# Altium PCB STB_LightBoard.PcbDoc (part 25 of 31)
Units mm, origin at the board's own origin, x right, y up, seen from the top; angles counter-clockwise.
Board outline 348 x 348 mm, 2 copper layers (Top Layer, Bottom Layer), stack 1.672 mm thick; 3807 components, 3391 nets, 11616 pads, 2553 vias.
Unrouted connection lines stored in the file: 68.
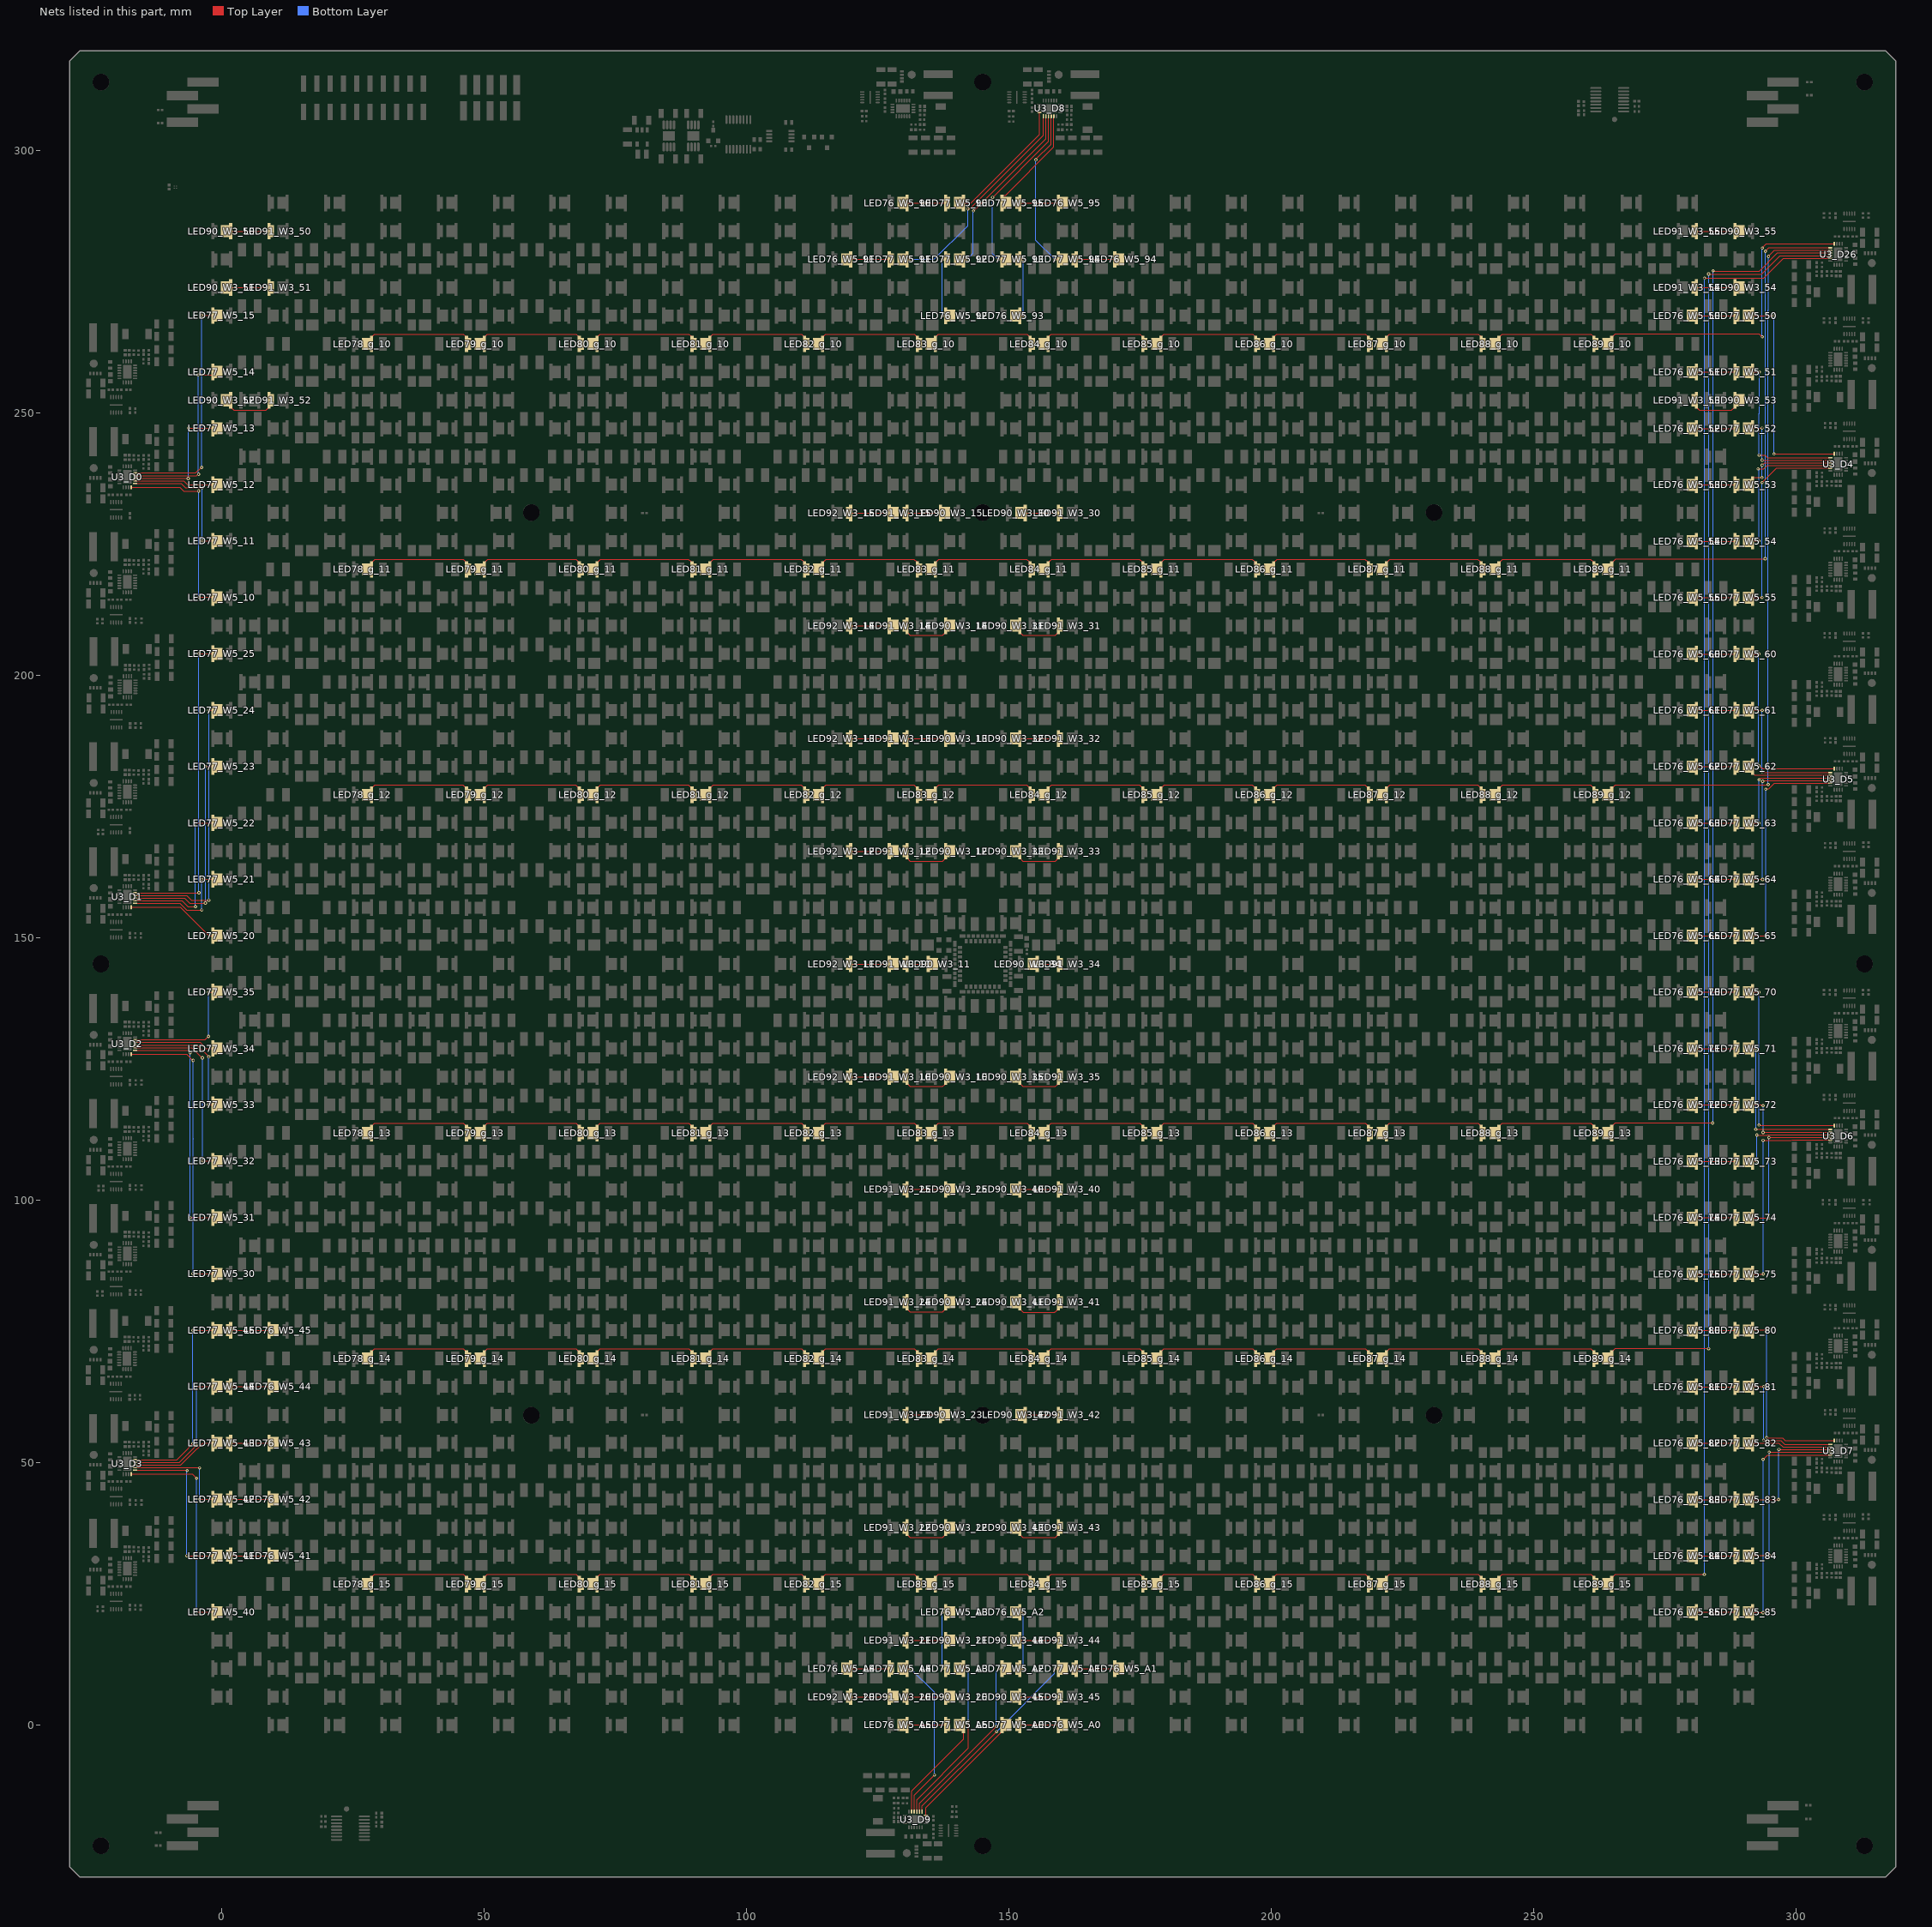
[diagram p25: the nets of this part, all layers, seen from the top]

## Via types
v1: diameter 0.604, hole 0.3, Top Layer to Bottom Layer, tented both sides, 2553 vias

## Nets (pads, with @x,y where several pads share a name; then routed paths per layer and width w, separated by ;. In a path a pad name is that pad's centre, name@x,y a point inside that pad or via, vN(x,y) a via of type N, cw(c..) or ccw(c..) an arc to the next point about the centre after c; other vN are vias at no path point) (continued)
NetLED76_W5_41_1: LED76_W5_41.1 LED77_W5_41.2 | length 8.4
  Top Layer w0.2: LED77_W5_41.2@1.7,32.245 LED76_W5_41.1@9.041,32.245 LED76_W5_41.1@10.106,32.245
NetLED76_W5_42_1: LED76_W5_42.1 LED77_W5_42.2 | length 8.4
  Top Layer w0.2: LED77_W5_42.2@1.7,42.985 LED76_W5_42.1@9.041,42.985 LED76_W5_42.1@10.106,42.985
NetLED76_W5_43_1: LED76_W5_43.1 LED77_W5_43.2 | length 8.4
  Top Layer w0.2: LED77_W5_43.2@1.7,53.725 LED76_W5_43.1@9.041,53.725 LED76_W5_43.1@10.106,53.725
NetLED76_W5_44_1: LED76_W5_44.1 LED77_W5_44.2 | length 8.4
  Top Layer w0.2: LED77_W5_44.2@1.7,64.465 LED76_W5_44.1@9.041,64.465 LED76_W5_44.1@10.106,64.465
NetLED76_W5_45_1: LED76_W5_45.1 LED77_W5_45.2 | length 8.4
  Top Layer w0.2: LED77_W5_45.2@1.7,75.205 LED76_W5_45.1@9.041,75.205 LED76_W5_45.1@10.106,75.205
NetLED76_W5_50_1: LED76_W5_50.1 LED77_W5_50.2 | length 8.6
  Top Layer w0.2: LED76_W5_50.1@279.901,268.5 LED76_W5_50.1@280.966,268.5 LED77_W5_50.2@288.307,268.5 288.419,268.5 LED77_W5_50.2@288.479,268.56
NetLED76_W5_51_1: LED76_W5_51.1 LED77_W5_51.2 | length 8.6
  Top Layer w0.2: LED76_W5_51.1@279.901,257.76 LED76_W5_51.1@280.966,257.76 LED77_W5_51.2@288.307,257.76 288.419,257.76 LED77_W5_51.2@288.479,257.82
NetLED76_W5_52_1: LED76_W5_52.1 LED77_W5_52.2 | length 8.6
  Top Layer w0.2: LED76_W5_52.1@279.901,247.02 LED76_W5_52.1@280.966,247.02 LED77_W5_52.2@288.307,247.02 288.419,247.02 LED77_W5_52.2@288.479,247.08
NetLED76_W5_53_1: LED76_W5_53.1 LED77_W5_53.2 | length 8.6
  Top Layer w0.2: LED76_W5_53.1@279.901,236.28 LED76_W5_53.1@280.966,236.28 LED77_W5_53.2@288.307,236.28 288.419,236.28 LED77_W5_53.2@288.479,236.34
NetLED76_W5_54_1: LED76_W5_54.1 LED77_W5_54.2 | length 8.6
  Top Layer w0.2: LED76_W5_54.1@279.901,225.54 LED76_W5_54.1@280.966,225.54 LED77_W5_54.2@288.307,225.54 288.419,225.54 LED77_W5_54.2@288.479,225.6
NetLED76_W5_55_1: LED76_W5_55.1 LED77_W5_55.2 | length 8.6
  Top Layer w0.2: LED76_W5_55.1@279.901,214.8 LED76_W5_55.1@280.966,214.8 LED77_W5_55.2@288.307,214.8 288.419,214.8 LED77_W5_55.2@288.479,214.86
NetLED76_W5_60_1: LED76_W5_60.1 LED77_W5_60.2 | length 8.6
  Top Layer w0.2: LED76_W5_60.1@279.901,204.06 LED76_W5_60.1@280.966,204.06 LED77_W5_60.2@288.307,204.06 288.419,204.06 LED77_W5_60.2@288.479,204.12
NetLED76_W5_61_1: LED76_W5_61.1 LED77_W5_61.2 | length 8.6
  Top Layer w0.2: LED76_W5_61.1@279.901,193.32 LED76_W5_61.1@280.966,193.32 LED77_W5_61.2@288.307,193.32 288.419,193.32 LED77_W5_61.2@288.479,193.38
NetLED76_W5_62_1: LED76_W5_62.1 LED77_W5_62.2 | length 8.6
  Top Layer w0.2: LED76_W5_62.1@279.901,182.58 LED76_W5_62.1@280.966,182.58 LED77_W5_62.2@288.307,182.58 288.419,182.58 LED77_W5_62.2@288.479,182.64
NetLED76_W5_63_1: LED76_W5_63.1 LED77_W5_63.2 | length 8.6
  Top Layer w0.2: LED76_W5_63.1@279.901,171.84 LED76_W5_63.1@280.966,171.84 LED77_W5_63.2@288.307,171.84 288.419,171.84 LED77_W5_63.2@288.479,171.9
NetLED76_W5_64_1: LED76_W5_64.1 LED77_W5_64.2 | length 8.6
  Top Layer w0.2: LED76_W5_64.1@279.901,161.1 LED76_W5_64.1@280.966,161.1 LED77_W5_64.2@288.307,161.1 288.419,161.1 LED77_W5_64.2@288.479,161.16
NetLED76_W5_65_1: LED76_W5_65.1 LED77_W5_65.2 | length 8.6
  Top Layer w0.2: LED76_W5_65.1@279.901,150.36 LED76_W5_65.1@280.966,150.36 LED77_W5_65.2@288.307,150.36 288.419,150.36 LED77_W5_65.2@288.479,150.42
NetLED76_W5_70_1: LED76_W5_70.1 LED77_W5_70.2 | length 8.6
  Top Layer w0.2: LED76_W5_70.1@279.901,139.62 LED76_W5_70.1@280.966,139.62 LED77_W5_70.2@288.307,139.62 288.419,139.62 LED77_W5_70.2@288.479,139.68
NetLED76_W5_71_1: LED76_W5_71.1 LED77_W5_71.2 | length 8.6
  Top Layer w0.2: LED76_W5_71.1@279.901,128.88 LED76_W5_71.1@280.966,128.88 LED77_W5_71.2@288.307,128.88 288.419,128.88 LED77_W5_71.2@288.479,128.94
NetLED76_W5_72_1: LED76_W5_72.1 LED77_W5_72.2 | length 8.6
  Top Layer w0.2: LED76_W5_72.1@279.901,118.14 LED76_W5_72.1@280.966,118.14 LED77_W5_72.2@288.307,118.14 288.419,118.14 LED77_W5_72.2@288.479,118.2
NetLED76_W5_73_1: LED76_W5_73.1 LED77_W5_73.2 | length 8.6
  Top Layer w0.2: LED76_W5_73.1@279.901,107.4 LED76_W5_73.1@280.966,107.4 LED77_W5_73.2@288.307,107.4 288.419,107.4 LED77_W5_73.2@288.479,107.46
NetLED76_W5_74_1: LED76_W5_74.1 LED77_W5_74.2 | length 8.6
  Top Layer w0.2: LED76_W5_74.1@279.901,96.66 LED76_W5_74.1@280.966,96.66 LED77_W5_74.2@288.307,96.66 288.419,96.66 LED77_W5_74.2@288.479,96.72
NetLED76_W5_75_1: LED76_W5_75.1 LED77_W5_75.2 | length 8.6
  Top Layer w0.2: LED76_W5_75.1@279.901,85.92 LED76_W5_75.1@280.966,85.92 LED77_W5_75.2@288.307,85.92 288.419,85.92 LED77_W5_75.2@288.479,85.98
NetLED76_W5_80_1: LED76_W5_80.1 LED77_W5_80.2 | length 8.6
  Top Layer w0.2: LED76_W5_80.1@279.901,75.18 LED76_W5_80.1@280.966,75.18 LED77_W5_80.2@288.307,75.18 288.419,75.18 LED77_W5_80.2@288.479,75.24
NetLED76_W5_81_1: LED76_W5_81.1 LED77_W5_81.2 | length 8.6
  Top Layer w0.2: LED76_W5_81.1@279.901,64.44 LED76_W5_81.1@280.966,64.44 LED77_W5_81.2@288.307,64.44 288.419,64.44 LED77_W5_81.2@288.479,64.5
NetLED76_W5_82_1: LED76_W5_82.1 LED77_W5_82.2 | length 8.6
  Top Layer w0.2: LED76_W5_82.1@279.901,53.7 LED76_W5_82.1@280.966,53.7 LED77_W5_82.2@288.307,53.7 288.419,53.7 LED77_W5_82.2@288.479,53.76
NetLED76_W5_83_1: LED76_W5_83.1 LED77_W5_83.2 | length 8.6
  Top Layer w0.2: LED76_W5_83.1@279.901,42.96 LED76_W5_83.1@280.966,42.96 LED77_W5_83.2@288.307,42.96 288.419,42.96 LED77_W5_83.2@288.479,43.02
NetLED76_W5_84_1: LED76_W5_84.1 LED77_W5_84.2 | length 8.6
  Top Layer w0.2: LED76_W5_84.1@279.901,32.22 LED76_W5_84.1@280.966,32.22 LED77_W5_84.2@288.307,32.22 288.419,32.22 LED77_W5_84.2@288.479,32.28
NetLED76_W5_85_1: LED76_W5_85.1 LED77_W5_85.2 | length 8.6
  Top Layer w0.2: LED76_W5_85.1@279.901,21.48 LED76_W5_85.1@280.966,21.48 LED77_W5_85.2@288.307,21.48 288.419,21.48 LED77_W5_85.2@288.479,21.54
NetLED76_W5_90_1: LED76_W5_90.1 LED77_W5_90.2 | length 9
  Top Layer w0.2: LED76_W5_90.1@129.552,289.98 130.142,289.98 137.483,289.98 LED77_W5_90.2@138.548,289.98
NetLED76_W5_91_1: LED76_W5_91.1 LED77_W5_91.2 | length 9
  Top Layer w0.2: LED76_W5_91.1@118.786,279.24 LED76_W5_91.1@119.851,279.24 LED77_W5_91.2@127.192,279.24 LED77_W5_91.2@127.782,279.24
NetLED76_W5_92_1: LED76_W5_92.1 LED77_W5_92.2 | length 13.7
  Top Layer w0.2: v1(137.319,268.5) LED76_W5_92.1@137.933,268.5 LED76_W5_92.1@138.523,268.5 ; v1(137.319,279.24) LED77_W5_92.2@137.933,279.24 ; LED77_W5_92.2@137.933,279.24 LED77_W5_92.2@138.523,279.24 LED77_W5_92.2@137.933,279.24
  Bottom Layer w0.2: v1(137.319,268.5) v1(137.319,279.24)
NetLED76_W5_93_1: LED76_W5_93.1 LED77_W5_93.2 | length 13
  Top Layer w0.2: LED76_W5_93.1@151.009,268.5 LED76_W5_93.1@152.074,268.5 v1(152.7,268.5) ; LED77_W5_93.2@152.074,279.24 v1(152.66,279.24)
  Bottom Layer w0.2: v1(152.66,279.24) 152.68,279.22 152.68,268.52 v1(152.7,268.5)
NetLED76_W5_94_1: LED76_W5_94.1 LED77_W5_94.2 | length 8.5
  Top Layer w0.2: LED77_W5_94.2@162.225,279.24 LED77_W5_94.2@162.815,279.24 LED76_W5_94.1@170.156,279.24 LED76_W5_94.1@170.746,279.24
NetLED76_W5_95_1: LED76_W5_95.1 LED77_W5_95.2 | length 11.3
  Top Layer w0.2: LED77_W5_95.2@151.459,289.98 152.524,289.98 LED76_W5_95.1@159.865,289.98 ; LED77_W5_95.2@151.484,289.98 LED77_W5_95.2@152.074,289.98 ; LED76_W5_95.1@159.415,289.98 LED76_W5_95.1@160.48,289.98 LED76_W5_95.1@159.865,289.98 ; LED76_W5_95.1@160.455,289.98 LED76_W5_95.1@159.865,289.98
NetLED76_W5_A0_1: LED76_W5_A0.1 LED77_W5_A0.2 | length 9
  Top Layer w0.2: LED77_W5_A0.2@151.459,0 152.524,0 159.865,0 LED76_W5_A0.1@160.455,0
NetLED76_W5_A1_1: LED76_W5_A1.1 LED77_W5_A1.2 | length 9
  Top Layer w0.2: LED77_W5_A1.2@162.2,10.74 163.265,10.74 170.606,10.74 LED76_W5_A1.1@171.196,10.74
NetLED76_W5_A2_1: LED76_W5_A2.1 LED77_W5_A2.2 | length 14.5
  Top Layer w0.2: LED76_W5_A2.1@151.009,21.48 LED76_W5_A2.1@152.074,21.48 v1(152.76,21.48) ; LED77_W5_A2.2@151.459,10.74 v1@152.524,10.74 ; LED77_W5_A2.2@151.771,10.74 LED77_W5_A2.2@152.074,10.74 v1(152.76,10.74)
  Bottom Layer w0.2: v1(152.76,10.74) v1(152.76,21.48)
NetLED76_W5_A3_1: LED76_W5_A3.1 LED77_W5_A3.2 | length 14.2
  Top Layer w0.2: v1(137.319,10.74) LED77_W5_A3.2@137.933,10.74 LED77_W5_A3.2@138.523,10.74 ; v1(137.319,21.48) LED76_W5_A3.1@137.933,21.48 LED76_W5_A3.1@138.523,21.48 ; v1@137.483,10.74 LED77_W5_A3.2@138.548,10.74
  Bottom Layer w0.2: v1(137.319,10.74) v1(137.319,21.48)
NetLED76_W5_A4_1: LED76_W5_A4.1 LED77_W5_A4.2 | length 9
  Top Layer w0.2: LED76_W5_A4.1@118.811,10.74 119.401,10.74 126.742,10.74 LED77_W5_A4.2@127.807,10.74
NetLED76_W5_A5_1: LED76_W5_A5.1 LED77_W5_A5.2 | length 8.4
  Top Layer w0.2: LED76_W5_A5.1@129.527,0 LED76_W5_A5.1@130.592,0 LED77_W5_A5.2@137.933,0
NetLED77_W5_10_1: LED77_W5_10.1 U3_D0.10 | length 38.1
  Top Layer w0.2: U3_D0.10@-17.25,235.8 -7.97,235.8 -7.27,235.1 v1(-4.4,235.1) ; v1(-4.362,214.891) -1.709,214.891 LED77_W5_10.1@-1.7,214.9 ; LED77_W5_10.1@-0.635,214.825 LED77_W5_10.1@-0.71,214.9 ; LED77_W5_10.1@-1.7,214.9 LED77_W5_10.1@-0.71,214.9 ; LED77_W5_10.1@-1.7,214.9 LED77_W5_10.1@-0.71,214.9
  Bottom Layer w0.2: v1(-4.4,235.1) -4.381,235.081 -4.381,214.91 v1(-4.362,214.891)
NetLED77_W5_11_1: LED77_W5_11.1 U3_D0.11 | length 29.4
  Top Layer w0.2: U3_D0.11@-16.5,236.55 -7.75,236.55 -6.9,235.7 -3.767,235.7 v1(-3.726,235.742) ; LED77_W5_11.1@-0.635,225.565 LED77_W5_11.1@-0.67,225.6 ; LED77_W5_11.1@-0.67,225.6 v1(-3.7,225.6) LED77_W5_11.1@-0.67,225.6
  Bottom Layer w0.2: v1(-3.726,235.742) -3.713,235.729 -3.713,225.613 v1(-3.7,225.6)
NetLED77_W5_12_1: LED77_W5_12.1 U3_D0.12 | length 16.2
  Top Layer w0.2: U3_D0.12@-16.5,237.05 -7.25,237.05 -6.505,236.305 LED77_W5_12.1@-1.7,236.305 LED77_W5_12.1@-0.635,236.305
NetLED77_W5_13_1: LED77_W5_13.1 U3_D0.13 | length 31.1
  Top Layer w0.2: U3_D0.13@-16.5,237.55 -16.481,237.531 -6.437,237.531 v1(-6.386,237.48) ; LED77_W5_13.1@-0.635,247.045 LED77_W5_13.1@-0.69,247.1 ; LED77_W5_13.1@-0.69,247.1 v1(-6.3,247.1) LED77_W5_13.1@-0.69,247.1
  Bottom Layer w0.2: v1(-6.386,237.48) -6.343,237.523 -6.343,247.057 v1(-6.3,247.1)
NetLED77_W5_14_1: LED77_W5_14.1 U3_D0.14 | length 35.5
  Top Layer w0.2: U3_D0.14@-16.5,238.05 -4.759,238.05 -4.509,238.3 v1(-4.4,238.3) ; v1(-4.5,257.2) -1.9,257.2 -1.7,257.4 LED77_W5_14.1@-1.7,257.785 LED77_W5_14.1@-0.635,257.785
  Bottom Layer w0.2: v1(-4.5,257.2) -4.45,257.15 -4.45,238.35 v1(-4.4,238.3)
NetLED77_W5_15_1: LED77_W5_15.1 U3_D0.15 | length 48.4
  Top Layer w0.2: U3_D0.15@-16.5,238.55 -4.933,238.55 -3.883,239.6 v1(-3.8,239.6) ; LED77_W5_15.1@-0.635,268.525 LED77_W5_15.1@-0.71,268.6 ; LED77_W5_15.1@-0.71,268.6 v1(-3.8,268.6) LED77_W5_15.1@-0.71,268.6
  Bottom Layer w0.2: v1(-3.8,239.6) v1(-3.8,268.6)
NetLED77_W5_20_1: LED77_W5_20.1 U3_D1.10 | length 18.9
  Top Layer w0.2: U3_D1.10@-17.25,155.8 -7.87,155.8 -2.455,150.385 LED77_W5_20.1@-1.7,150.385 LED77_W5_20.1@-0.635,150.385
NetLED77_W5_21_1: LED77_W5_21.1 U3_D1.11 | length 22.2
  Top Layer w0.2: U3_D1.11@-16.5,156.55 -7.95,156.55 -6.676,155.276 -5.575,155.276 v1(-3.784,155.276) ; v1(-3.775,161.125) LED77_W5_21.1@-1.7,161.125 LED77_W5_21.1@-0.635,161.125
  Bottom Layer w0.2: v1(-3.784,155.276) -3.78,155.281 -3.78,161.12 v1(-3.775,161.125)
NetLED77_W5_22_1: LED77_W5_22.1 U3_D1.12 | length 32.3
  Top Layer w0.2: U3_D1.12@-16.5,157.05 -7.55,157.05 -6.4,155.9 v1(-5,155.9) ; v1(-5.013,171.865) LED77_W5_22.1@-0.635,171.865
  Bottom Layer w0.2: v1(-5.013,171.865) -5.007,171.858 -5.007,155.906 v1(-5,155.9)
NetLED77_W5_23_1: LED77_W5_23.1 U3_D1.13 | length 42.3
  Top Layer w0.2: U3_D1.13@-16.5,157.55 -7.05,157.55 -6.1,156.6 v1(-3.1,156.6) ; v1(-3.105,182.605) LED77_W5_23.1@-1.7,182.605 LED77_W5_23.1@-0.635,182.605
  Bottom Layer w0.2: v1(-3.105,182.605) -3.105,179.009 -3.092,178.996 -3.092,167.898 -3.105,167.885 -3.105,156.605 v1(-3.1,156.6)
NetLED77_W5_24_1: LED77_W5_24.1 U3_D1.14 | length 52.4
  Top Layer w0.2: U3_D1.14@-16.5,158.05 -6.633,158.05 -5.738,157.155 v1(-2.455,157.155) ; v1(-2.455,193.345) LED77_W5_24.1@-1.7,193.345 LED77_W5_24.1@-0.635,193.345
  Bottom Layer w0.2: v1(-2.455,157.155) v1(-2.455,193.345)
NetLED77_W5_25_1: LED77_W5_25.1 U3_D1.15 | length 107.2
  Top Layer w0.2: U3_D1.15@-16.5,158.55 v1(-4.35,158.55) ; v1(-4.385,204.085) LED77_W5_25.1@-1.7,204.085 LED77_W5_25.1@-0.635,204.085
  Bottom Layer w0.2: v1@-4.385,158.415 v1(-4.385,204.085) v1@-4.385,158.415
NetLED77_W5_30_1: LED77_W5_30.1 U3_D2.10 | length 57.9
  Top Layer w0.2: U3_D2.10@-17.25,127.8 -6.684,127.8 -5.496,126.612 v1(-5.427,126.612) ; v1(-5.5,86) -1.755,86 LED77_W5_30.1@-1.7,85.945 LED77_W5_30.1@-0.635,85.945
  Bottom Layer w0.2: v1(-5.5,86) -5.446,86.054 -5.446,111.666 -5.454,111.674 -5.454,112.133 -5.446,112.141 -5.446,126.593 v1(-5.427,126.612)
NetLED77_W5_31_1: LED77_W5_31.1 U3_D2.11 | length 47.4
  Top Layer w0.2: U3_D2.11@-16.5,128.55 -6.495,128.55 v1(-6.006,128.062) ; v1(-6,96.7) -1.715,96.7 LED77_W5_31.1@-1.7,96.685 LED77_W5_31.1@-0.635,96.685
  Bottom Layer w0.2: v1(-6.006,128.062) -5.981,128.036 -5.981,96.719 v1(-6,96.7)
NetLED77_W5_32_1: LED77_W5_32.1 U3_D2.12 | length 36.3
  Top Layer w0.2: U3_D2.12@-16.5,129.05 -5.65,129.05 v1(-3.7,127.1) ; v1(-3.654,107.5) -1.775,107.5 LED77_W5_32.1@-1.7,107.425 LED77_W5_32.1@-0.635,107.425
  Bottom Layer w0.2: v1(-3.7,127.1) -3.654,127.054 v1(-3.654,107.5)
NetLED77_W5_33_1: LED77_W5_33.1 U3_D2.13 | length 26
  Top Layer w0.2: U3_D2.13@-16.5,129.55 -4.707,129.55 v1(-2.453,127.296) ; v1(-2.535,118.165) LED77_W5_33.1@-1.7,118.165 LED77_W5_33.1@-0.635,118.165
  Bottom Layer w0.2: v1(-2.535,118.165) -2.494,118.206 -2.494,127.255 v1(-2.453,127.296)
NetLED77_W5_34_1: LED77_W5_34.1 U3_D2.14 | length 16.3
  Top Layer w0.2: U3_D2.14@-16.5,130.05 -4.15,130.05 -3.005,128.905 LED77_W5_34.1@-1.7,128.905 LED77_W5_34.1@-0.635,128.905
NetLED77_W5_35_1: LED77_W5_35.1 U3_D2.15 | length 24.6
  Top Layer w0.2: U3_D2.15@-16.5,130.55 -3.15,130.55 v1(-2.5,131.2) ; v1(-2.5,139.6) -1.745,139.6 LED77_W5_35.1@-1.7,139.645 LED77_W5_35.1@-0.635,139.645
  Bottom Layer w0.2: v1(-2.5,131.2) v1(-2.5,139.6)
NetLED77_W5_40_1: LED77_W5_40.1 U3_D3.10 | length 42.4
  Top Layer w0.2: U3_D3.10@-17.25,47.8 -5.6,47.8 v1(-4.8,47) ; v1(-4.795,21.505) LED77_W5_40.1@-1.7,21.505 LED77_W5_40.1@-0.635,21.505
  Bottom Layer w0.2: v1(-4.8,47) -4.795,46.995 v1(-4.795,21.505)
NetLED77_W5_41_1: LED77_W5_41.1 U3_D3.11 | length 32.2
  Top Layer w0.2: U3_D3.11@-16.5,48.55 -16.481,48.531 -6.62,48.531 v1(-6.574,48.485) ; v1(-6.645,32.245) LED77_W5_41.1@-1.7,32.245 LED77_W5_41.1@-0.635,32.245
  Bottom Layer w0.2: v1(-6.645,32.245) -6.634,32.256 -6.634,48.425 v1(-6.574,48.485)
NetLED77_W5_42_1: LED77_W5_42.1 U3_D3.12 | length 21.9
  Top Layer w0.2: U3_D3.12@-16.5,49.05 -16.489,49.039 -4.269,49.039 v1(-4.215,48.985) ; v1(-4.215,42.985) LED77_W5_42.1@-1.7,42.985 LED77_W5_42.1@-0.635,42.985
  Bottom Layer w0.2: v1(-4.215,42.985) v1(-4.215,48.985)
NetLED77_W5_43_1: LED77_W5_43.1 U3_D3.13 | length 17.6
  Top Layer w0.2: U3_D3.13@-16.495,49.545 -7.777,49.545 -5.671,51.651 -5.666,51.651 -3.592,53.725 LED77_W5_43.1@-1.7,53.725 LED77_W5_43.1@-0.635,53.725
NetLED77_W5_44_1: LED77_W5_44.1 U3_D3.14 | length 32.6
  Top Layer w0.2: U3_D3.14@-16.5,50.05 -8.05,50.05 v1(-4.8,53.3) ; LED77_W5_44.1@-0.635,64.465 LED77_W5_44.1@-0.67,64.5 ; LED77_W5_44.1@-0.67,64.5 v1(-4.8,64.5) LED77_W5_44.1@-0.67,64.5
  Bottom Layer w0.2: v1(-4.8,53.3) v1(-4.8,64.5)
NetLED77_W5_45_1: LED77_W5_45.1 U3_D3.15 | length 43.6
  Top Layer w0.2: U3_D3.15@-16.5,50.55 -8.525,50.55 -7.079,51.997 -7.079,52.021 v1(-5.5,53.6) ; LED77_W5_45.1@-0.635,75.205 LED77_W5_45.1@-0.64,75.2 ; LED77_W5_45.1@-0.64,75.2 v1(-5.5,75.2) LED77_W5_45.1@-0.64,75.2
  Bottom Layer w0.2: v1(-5.5,53.6) v1(-5.5,75.2)
NetLED77_W5_50_1: LED77_W5_50.1 U3_D4.10 | length 43
  Top Layer w0.2: LED77_W5_50.1@290.642,268.5 LED77_W5_50.1@291.707,268.5 291.721,268.514 v1(295.8,268.514) ; v1(295.767,242.16) 295.807,242.2 U3_D4.10@307.25,242.2
  Bottom Layer w0.2: v1(295.767,242.16) 295.784,242.176 295.784,268.498 v1(295.8,268.514)
NetLED77_W5_51_1: LED77_W5_51.1 U3_D4.11 | length 31.9
  Top Layer w0.2: LED77_W5_51.1@290.642,257.76 LED77_W5_51.1@291.707,257.76 v1(292.96,257.76) ; v1(292.946,241.954) 294.046,241.954 294.55,241.45 U3_D4.11@306.5,241.45
  Bottom Layer w0.2: v1(292.946,241.954) 292.946,249.829 292.96,249.843 v1(292.96,257.76)
NetLED77_W5_52_1: LED77_W5_52.1 U3_D4.12 | length 22
  Top Layer w0.2: LED77_W5_52.1@290.642,247.02 LED77_W5_52.1@291.707,247.02 291.787,247.1 v1(293.5,247.1) ; v1(293.5,241) 293.531,240.969 306.481,240.969 U3_D4.12@306.5,240.95
  Bottom Layer w0.2: v1(293.5,241) v1(293.5,247.1)
NetLED77_W5_53_1: LED77_W5_53.1 U3_D4.13 | length 19.6
  Top Layer w0.2: LED77_W5_53.1@290.642,236.28 LED77_W5_53.1@291.707,236.28 291.707,237.467 291.907,237.667 v1(293.485,237.667) ; v1(293.5,240) 293.95,240.45 U3_D4.13@306.5,240.45
  Bottom Layer w0.2: v1(293.485,237.667) 293.492,237.674 293.492,239.992 v1(293.5,240)
NetLED77_W5_54_1: LED77_W5_54.1 U3_D4.14 | length 31.3
  Top Layer w0.2: LED77_W5_54.1@290.642,225.54 LED77_W5_54.1@290.662,225.52 ; v1(292.72,239.32) 293.82,239.32 294.431,239.931 306.481,239.931 U3_D4.14@306.5,239.95 ; v1(292.9,225.6) LED77_W5_54.1@291.787,225.6 ; LED77_W5_54.1@290.662,225.52 LED77_W5_54.1@291.707,225.52 ; LED77_W5_54.1@290.662,225.52 LED77_W5_54.1@291.707,225.52 ; LED77_W5_54.1@291.707,225.52 LED77_W5_54.1@291.787,225.6 ; LED77_W5_54.1@291.707,225.52 LED77_W5_54.1@291.787,225.6
  Bottom Layer w0.2: v1(292.72,239.32) 292.72,239.211 292.9,239.031 v1(292.9,225.6)
NetLED77_W5_55_1: LED77_W5_55.1 U3_D4.15 | length 38.9
  Top Layer w0.2: LED77_W5_55.1@290.642,214.8 v1(293.5,214.8) ; v1(293.503,236.696) 296.257,239.45 U3_D4.15@306.5,239.45
  Bottom Layer w0.2: v1(293.5,214.8) 293.501,214.801 293.501,236.695 v1(293.503,236.696)
NetLED77_W5_60_1: LED77_W5_60.1 U3_D5.10 | length 38.2
  Top Layer w0.2: LED77_W5_60.1@290.642,204.06 LED77_W5_60.1@291.707,204.06 v1(292.86,204.06) ; v1(292.863,182.749) 292.909,182.749 293.312,182.347 293.453,182.347 293.6,182.2 U3_D5.10@307.25,182.2
  Bottom Layer w0.2: v1(292.86,204.06) 292.8,204 292.8,182.813 v1(292.863,182.749)
NetLED77_W5_61_1: LED77_W5_61.1 U3_D5.11 | length 27.7
  Top Layer w0.2: LED77_W5_61.1@290.642,193.32 LED77_W5_61.1@291.707,193.32 v1(293.52,193.32) ; v1(293.497,181.633) 293.606,181.633 293.789,181.45 U3_D5.11@306.5,181.45
  Bottom Layer w0.2: v1(293.497,181.633) 293.52,181.657 v1(293.52,193.32)
NetLED77_W5_62_1: LED77_W5_62.1 U3_D5.12 | length 16.2
  Top Layer w0.2: LED77_W5_62.1@291.707,182.58 291.707,181.305 292.062,180.95 U3_D5.12@306.5,180.95
NetLED77_W5_63_1: LED77_W5_63.1 U3_D5.13 | length 24.2
  Top Layer w0.2: LED77_W5_63.1@290.642,171.84 LED77_W5_63.1@291.707,171.84 v1(292.86,171.84) ; v1(292.9,180.1) 293.25,180.45 U3_D5.13@306.5,180.45
  Bottom Layer w0.2: v1(292.86,171.84) 292.88,171.86 292.88,180.08 v1(292.9,180.1)
NetLED77_W5_64_1: LED77_W5_64.1 U3_D5.14 | length 34.6
  Top Layer w0.2: LED77_W5_64.1@290.642,161.1 LED77_W5_64.1@291.707,161.1 v1(293.6,161.1) ; v1(293.6,179.8) 293.709,179.8 293.859,179.95 U3_D5.14@306.5,179.95
  Bottom Layer w0.2: v1(293.6,161.1) v1(293.6,179.8)
NetLED77_W5_65_1: LED77_W5_65.1 U3_D5.15 | length 44.4
  Top Layer w0.2: LED77_W5_65.1@290.642,150.36 LED77_W5_65.1@291.707,150.36 294.14,150.36 v1(294.2,150.3) ; v1(294.2,178.3) 294.277,178.377 294.777,178.377 295.85,179.45 U3_D5.15@306.5,179.45
  Bottom Layer w0.2: v1(294.2,150.3) v1(294.2,178.3)
NetLED77_W5_70_1: LED77_W5_70.1 U3_D6.10 | length 42
  Top Layer w0.2: LED77_W5_70.1@290.642,139.62 LED77_W5_70.1@291.707,139.62 v1(292.897,139.62) ; v1(292.9,114.3) 292.95,114.25 307.204,114.25 307.25,114.204 U3_D6.10@307.25,114.2
  Bottom Layer w0.2: v1(292.897,139.62) 292.899,139.619 292.899,114.301 v1(292.9,114.3)
NetLED77_W5_71_1: LED77_W5_71.1 U3_D6.11 | length 31.3
  Top Layer w0.2: LED77_W5_71.1@290.642,128.88 LED77_W5_71.1@291.707,128.88 v1(292.336,128.88) ; v1(292.3,113.5) 292.331,113.469 306.481,113.469 U3_D6.11@306.5,113.45
  Bottom Layer w0.2: v1(292.3,113.5) 292.318,113.518 292.318,128.862 v1(292.336,128.88)
NetLED77_W5_72_1: LED77_W5_72.1 U3_D6.12 | length 21
  Top Layer w0.2: LED77_W5_72.1@290.642,118.14 293.43,118.14 293.573,117.997 v1(293.682,117.997) ; v1(293.696,112.896) 293.75,112.95 U3_D6.12@306.5,112.95
  Bottom Layer w0.2: v1(293.682,117.997) 293.696,117.984 v1(293.696,112.896)
NetLED77_W5_73_1: LED77_W5_73.1 U3_D6.13 | length 20.9
  Top Layer w0.2: LED77_W5_73.1@290.642,107.4 LED77_W5_73.1@291.707,107.4 v1(292.5,107.4) ; v1(292.5,112.4) 292.558,112.342 294.462,112.342 294.575,112.454 300.387,112.454 300.391,112.45 U3_D6.13@306.5,112.45
  Bottom Layer w0.2: v1(292.5,107.4) v1(292.5,112.4)